# Altium PCB miniBackplane.PcbDoc (part 24 of 24)
Units mil, origin at the board's own origin, x right, y up, seen from the top; angles counter-clockwise.
Board outline 17285.63 x 8582.68 mil, 6 copper layers (Top Layer, Mid-Layer 1, GND, PWR, Mid-Layer 2, Bottom Layer), stack 62.362 mil thick; 519 components, 474 nets, 2434 pads, 1493 vias.
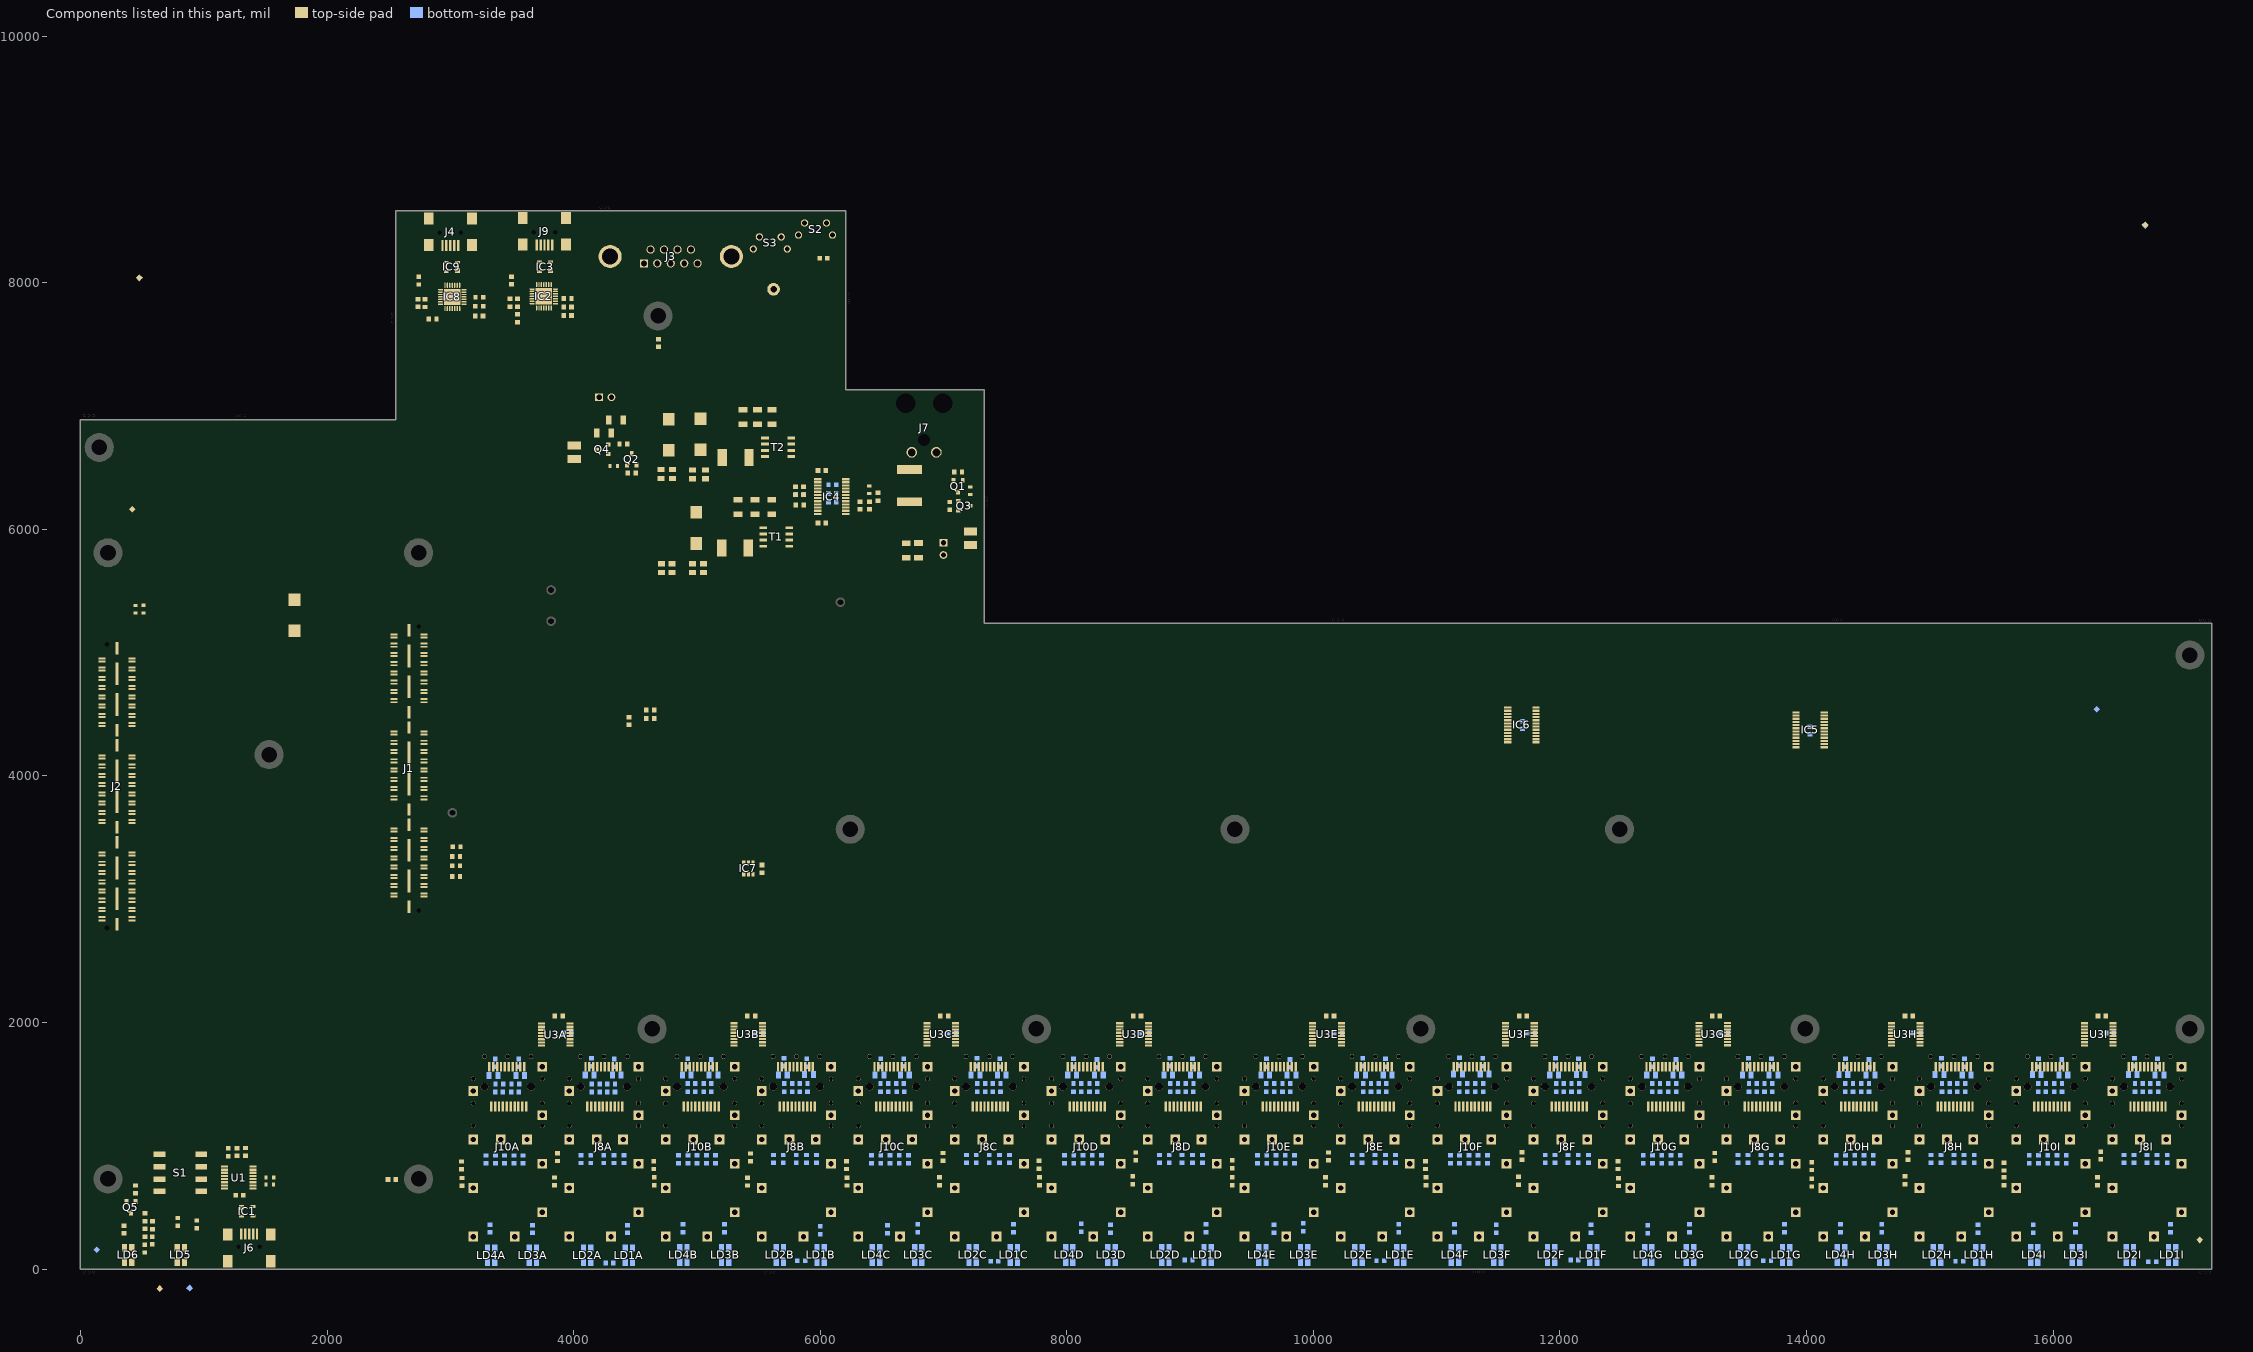
[diagram p28: the components of this part, seen from the top]

## Silkscreen, mask and mechanical layers (free items; w line width, h text height)
Top Overlay:
  drawing of 4342 lines, arcs and shapes, not listed
  text "Function" at 5970,8257 h59.06
  text "ARM_USB" at 2729,8215 h78.74 r90
  text "FPGA_USB" at 3487,8176 h78.74 r90
  text "Boot" at 5613,8139 h59.06
  text "SWITCH_RS232_MNG" at 4442,7920 h78.74
  text "CHASSIS" at 4863,7703 h78.74
  text "+12V BOX_FAN" at 4037,7244 h78.74
  text "-" at 7247.76,7071.15 h196.85 r180
  text "+" at 4111.21,7035.86 h157.48 r90
  text "-" at 4400,7032 h196.85
  text "POWER" at 5964.29,6988.47 h118.11
  text "+" at 6428.86,6968.79 h157.48
  text "+12V" at 6023.35,6854.61 h118.11
  text "+" at 6962.86,5976.79 h157.48
  text "-" at 6950,5692 h196.85 r270
  text "+5V" at 3940,5476 h118.11
  text "+12V PSU_FAN" at 6637,5466 h78.74
  text "GND" at 6266,5238 h118.11
  text "+3.3V" at 3944,5218 h118.11
  text "Switch 18 Ports Backplane" at 6862.2,4037.5 h170
  text "Fixed by GK" at 7381,3887 h137.8
  text "Rev 3.4 - 25.09.2014" at 7249,3751 h137.8
  text "+2.5V" at 3124,3670 h118.11
  text "WhiteRabbit" at 10440.94,3559.06 h170
  text "Open Hardware Repository" at 10086.61,3417.32 h137.8
  text "http://www.ohwr.org/projects/white-rabbit" at 9846.46,3299.21 h137.8
  text "V3.4 SCB goes here" at 921.26,2625.98 h170
  text "Licensed under CERN OHL v. 1.1" at 6872,2596 h137.8
  text "PCB_HW_VERSION" at 580,1044 h59.06
  text "SCB_CHASSIS_CONNECTION" at 2246,533 h59.06
  text "ARM_MNG" at 1669,55 h78.74
  text "Power OK" at 264,34 h51.18 r90
  text "Switch OK" at 972,32 h51.18 r90
Mechanical 1:
  lines w3.94: -3,-275 0,-272 ; 0,0 17285.63,0 17285.63,5236.22 7330,5236.22 7330,7132 6206,7132 6206,8582.68 2559.06,8582.68 2559.06,6889.76 0,6889.76 0,0
Mechanical 9:
  lines w47.24: 157.48,-23.62 5511.81,-23.62 ; 157.48,6913.39 1220.47,6913.39 ; 1377.95,6913.39 2534,6913.39 ; 2535.43,6932 2535.43,7637.8 ; 2535.43,7795.28 2535.43,8606.3 4173.23,8606.3 ; 4330.71,8606.3 6231,8606.3 ; 5669.29,-23.62 11259.84,-23.62 ; 6229.61,7795.28 6229.61,7155.63 7353.62,7155.63 7353.62,6299.21 ; 6229.61,7952.76 6229.61,8606.3 ; 7353.62,6141.73 7354,5259.84 10118.11,5259.84 ; 10275.59,5259.84 14173.23,5259.84 ; 11417.32,-23.62 17151.77,-23.62 ; 14330.71,5259.84 17151.77,5259.84 ; -23.62,-275.59 17309.25,-275.59 17309.25,8858.27 -23.62,8858.27 -23.62,-275.59
  text "Area Without Copper and Without Solder Mask - On Both Sides" at 6697,8609 h118.11
  text "Area Without Copper and Without Solder Mask - On Both Sides" at 6862,-201 h60

## Dimensions
18.1,-60.01 to 17303.73,-60.01 on Mechanical 9
0,0 to -23.62,-275.59 on Mechanical 9
2559.06,8582.68 to -23.62,8858.27 on Mechanical 9
-23.62,8858.27 to -23.62,-275.59 on Mechanical 9
0,0 to 2559.06,8582.68 on Drill Guide
2559.06,6889.76 to 2559.06,8582.68 on Drill Drawing
2559.06,8582.68 to 6206,8582.68 on Drill Guide
0,6889.76 to 2559.06,6889.76 on Drill Guide
6206,7132 to 7330,7132 on Drill Drawing
7330,5236.22 to 7330,7132 on Drill Guide
0,0 to 17285.63,0 on Drill Guide
17285.63,-10 to 17285.63,5236.22 on Drill Guide
17934.72,0 to 17874.02,0 on Drill Guide

## Text inside footprints (layer, text, board x,y; h text height)
J3: Top Overlay "6" at 4604.73,8391.13 h59.06; Top Overlay "9" at 4931.9,8391.13 h59.06; Top Overlay "5" at 4986.43,8021.06 h59.06; Top Overlay "1" at 4560.05,8021.06 h59.06